# KiCad board RUSP_Mainboard_panelMockup.kicad_pcb (continued)
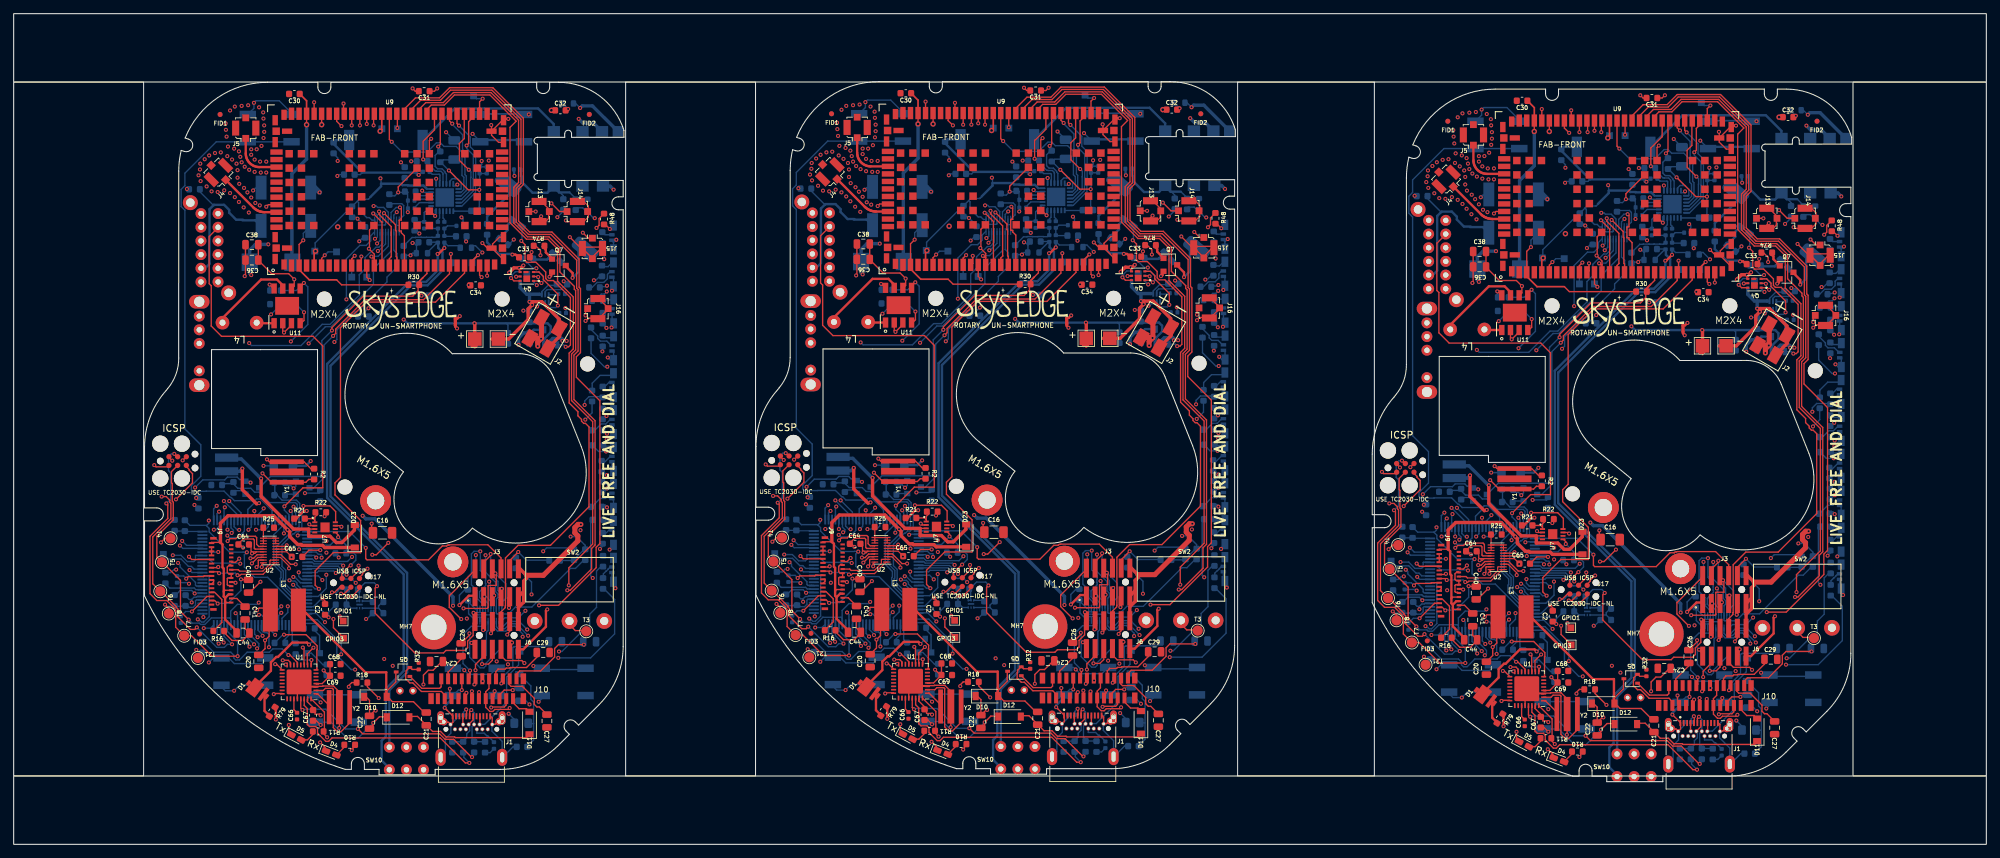
[diagram p0: board, top side]
## Routing (per net, layer and track width the routed paths; a pad name or vN(x,y) marks a point on that pad's centre or on a via; arc(x,y) is an arc through that point) (continued)
+3V8: length 563
  L1_GND+GNDA.Cu w0.18: 124.92,42.88 124.24,42.88 124.14,42.99 124.14,43.66 ; 124.92,42.88 U2#3.16 ; 124.92,42.88 124.69,42.65 v1(124.28,42.65) ; v1(214.41,41.56) 214.81,41.56 215.04,41.79 ; 35.5,42.78 35.27,42.55 v1(34.86,42.55) ; 35.5,42.78 34.82,42.78 34.72,42.89 34.72,43.56 ; 35.5,42.78 U2#2.16 ; U2.16 215.04,41.79 ; 215.04,41.79 214.37,41.79 214.26,41.89 214.26,42.57
  L1_GND+GNDA.Cu w0.2: U9.72 v2(42.84,105.26) ; U9.70 v2(45.04,105.26) ; 223.49,105.87 v1(223.49,107.55) ; 224.79,15.27 v1(225.39,14.67) ; v1(154.88,33.05) 154.86,33.05 153.13,34.78 153.13,36.45 156.96,40.29 ; C68#3.1 C69#2.1 ; C69#2.1 225.66,23.67 v1(224.88,24.45) ; C69#2.1 224.66,22.52 U1#2.4 223.81,22.47 224.09,22.47 224.09,22.52 ; 52.54,45.76 52.36,45.94 v1(52.36,46.91) ; v1(58.34,110.56) 58.74,110.16 C31.1 ; 135.69,24.76 134.54,23.61 U1#3.4 133.69,23.56 133.96,23.56 133.96,23.61 ; 135.69,24.76 135.69,26.46 ; 135.69,24.76 135.54,24.76 v1(134.76,25.54) ; v1(147.76,110.66) 148.16,110.26 C31#3.1 ; v1(228.84,39.82) 228.78,39.82 227.54,38.58 227.54,37.92 ; 222.39,105.87 v2(222.39,104.27) ; 47.99,38.91 47.99,39.57 49.23,40.81 v1(49.29,40.81) ; 246.14,80.77 v1(246.09,80.82) ; 49.62,14.56 49.62,13.95 v1(49.44,13.76) ; 232.09,44.77 231.91,44.95 v1(231.91,45.92) ; 134.86,16.76 134.86,19.44 U1#3.32 ; 44.54,23.51 44.54,23.46 44.26,23.46 U1.4 45.12,23.51 C69.1 ; U9#3.71 v1(133.36,108.64) ; 66.59,81.76 v1(66.54,81.81) ; 229.17,13.57 229.17,12.95 v1(228.99,12.77) ; v1(138.71,40.91) 138.65,40.91 137.41,39.67 137.41,39.01 ; 202.26,55.7 202.26,55.61 v1(202.74,55.12) ; R18.2 51.73,23.06 v1(53.39,21.39) ; 67.54,40.19 63.71,36.35 63.71,34.68 65.43,32.95 v1(65.45,32.95) ; v1(35.89,49.91) 35.66,49.91 35.54,49.79 ; C31#2.1 238.29,109.17 v1(237.89,109.57) ; 158.16,36.33 158.16,36.33 v1(158.26,36.33) ; C69.1 C68.1 ; C69.1 46.12,24.66 v1(45.33,25.44) ; 45.44,16.66 45.44,16.66 45.44,19.34 U1.32 ; v1(227,43.94) 227,44.26 226.69,44.57 ; v1(21.54,44.16) 22.14,44.76 T4.1 ; R18#3.2 231.28,22.06 v1(232.94,20.4) ; T4#2.1 111.56,44.86 v1(110.96,44.26) ; v1(138.86,13.86) 139.05,14.05 139.05,14.66 ; J3#2.3 248.29,35.24 v1(248.38,35.24) ; v1(136.87,45.03) 136.87,45.35 136.56,45.66 ; T4#3.1 201.69,43.77 v1(201.09,43.17) ; v1(68.83,36.23) 68.74,36.23 68.74,36.23 ; U9.71 v1(43.94,108.54) ; U9#3.70 v2(134.46,105.36) ; 47.14,45.56 47.45,45.25 v1(47.45,44.93) ; 156.01,81.86 v1(155.96,81.91) ; 247.09,39.19 243.25,35.36 243.25,33.68 244.98,31.95 v1(245,31.95) ; v1(142.81,21.49) 141.15,23.16 R18#2.2 ; v1(125.31,50.01) 125.09,50.01 124.96,49.89 ; 224.59,105.87 v2(224.59,104.27) ; J7.2 22.71,56.6 v1(23.19,56.12) ; v1(112.62,56.22) 112.13,56.7 112.13,56.8 ; U9#3.72 v2(132.26,105.36) ; U1#2.32 224.99,18.34 224.99,15.67 224.99,15.67 ; 215.09,48.79 215.21,48.92 v1(215.44,48.92) ; 141.96,45.86 141.78,46.04 v1(141.78,47.01) ; 134.66,16.36 v1(135.26,15.76) ; 45.24,16.26 v1(45.84,15.66)
  L1_GND+GNDA.Cu w0.25: 79.47,107.36 v2(78.64,107.36) ; C30.1 42.84,108.75 U9.72 ; 259.02,106.37 v2(258.19,106.37) ; 222.39,105.87 222.39,107.76 221.38,108.77 ; C30#2.1 132.26,108.85 U9#3.72 ; 168.89,107.46 v2(168.06,107.46)
  L1_GND+GNDA.Cu w0.35: 73.89,85.76 73.39,86.26 v1(72.94,86.26) ; R79#3.2 127.76,20.05 v1(127.76,18.36) ; v1(38.34,18.26) 38.34,19.95 R79.2 ; v1(162.36,86.36) 162.81,86.36 163.31,85.86 ; R79#2.2 217.89,18.96 v1(217.89,17.27) ; 253.44,84.77 252.94,85.27 v1(252.49,85.27)
  L1_GND+GNDA.Cu w0.5: v1(212.99,53.97) 212.99,50.89 215.09,48.79 ; v1(122.86,55.06) 122.86,51.99 124.96,49.89 ; v1(33.44,54.96) 33.44,51.89 35.54,49.79
  L4_GND.Cu w0.2: v1(45.52,32.5) 45.52,25.88 45.33,25.69 v1(45.33,25.44) ; v1(134.94,32.61) 134.94,25.98 134.76,25.79 v1(134.76,25.54) ; v1(224.88,24.45) 224.88,24.7 225.07,24.89 v1(225.07,31.51)
  L5_3v8.Cu w0.18: v1(132.02,51.47) 133.17,51.47 ; v1(42.6,51.37) 43.74,51.37 ; v1(222.15,50.37) 223.29,50.37
  L5_3v8.Cu w0.2: v1(53.27,86.79) 53.11,86.63 ; v1(154.88,33.05) 155.35,32.57 155.96,32.57 156.25,32.86 156.25,33.39 156.12,33.51 156.12,34.19 v1(158.26,36.33) ; 133.19,51.44 133.19,54.46 134.59,55.85 134.59,70.89 142.53,78.83 142.53,86.87 141.09,88.31 v1(139.96,88.31) ; v1(248.38,35.24) 246.25,33.1 246.25,32.42 246.37,32.29 246.37,31.76 246.09,31.48 245.48,31.48 v1(245,31.95) ; v1(68.83,36.23) 66.7,34.09 66.7,33.41 66.82,33.29 66.82,32.76 66.54,32.47 65.93,32.47 v1(65.45,32.95) ; v1(230.09,87.22) 231.21,87.22 232.66,85.77 232.66,77.73 224.72,69.79 224.72,54.76 223.32,53.36 223.32,50.35 ; 43.77,51.34 43.77,54.35 45.17,55.75 45.17,70.78 53.11,78.73 53.11,86.77 51.66,88.21 v1(50.54,88.21) ; v1(232.82,85.8) 232.66,85.64 ; v1(142.69,86.89) 142.53,86.73
  L6_GND.Cu w0.18: U10#3.16 233.94,86.83 ; U8#3.16 159.21,35.68 ; U10.16 54.39,87.83 ; U10#2.16 143.81,87.93 ; U8.16 69.79,35.57 ; U8#2.16 249.34,34.58
  L6_GND.Cu w0.2: C18#3.1 171.16,41.61 171.29,41.74 ; 50.11,34.54 49.36,34.54 48.79,35.11 ; v1(134.76,25.54) 134.76,25.28 C3#2.1 ; 216.29,31.12 216.29,32.07 215.79,32.57 v1(215.42,32.57) ; 205.59,34.81 205.92,35.15 206.28,35.15 206.4,35.27 207.09,35.27 ; 205.59,34.81 205.24,34.81 204.59,35.47 ; 205.59,34.81 v1(205.59,34.39) ; 115.46,35.91 115.11,35.91 114.46,36.56 ; 115.46,35.91 115.79,36.24 116.16,36.24 116.28,36.36 116.96,36.36 ; 115.46,35.91 v1(115.46,35.49) ; v1(41.74,43.16) 41.74,43.56 41.94,43.76 46.28,43.76 v1(47.45,44.93) 48.64,43.74 C6.1 48.69,42.61 49.72,42.61 50.04,42.29 50.04,41.56 v1(49.29,40.81) ; v1(132.02,51.47) 134.07,51.47 134.26,51.66 ; 222.44,32.77 223.81,32.77 v1(225.07,31.51) ; v1(125.31,50.01) 124.59,50.01 123.66,49.09 123.66,47.51 ; v1(261,44.01) 261.86,44.01 263.14,42.73 R26#3.1 ; v1(134.94,32.61) 133.69,33.86 132.31,33.86 ; v1(115.86,49.74) 116.08,49.53 116.44,49.53 ; C15#2.2 228.23,35.2 228.29,35.27 ; 26.04,35.81 26.37,36.14 26.73,36.14 26.85,36.26 27.54,36.26 ; 26.04,35.81 25.69,35.81 25.04,36.46 ; 26.04,35.81 v1(26.04,35.38) ; 261.41,40.64 261.29,40.52 C18#2.1 ; 143.81,87.93 142.78,86.89 v1(142.69,86.89) ; v1(138.71,40.91) 139.46,41.66 139.46,42.39 139.15,42.71 138.11,42.71 C6#3.1 138.06,43.84 v1(136.87,45.03) 135.7,43.86 131.36,43.86 131.16,43.66 v1(131.16,43.26) ; 34.24,47.41 34.24,48.99 35.16,49.91 v1(35.89,49.91) ; v1(215.44,48.92) 214.71,48.92 213.79,47.99 213.79,46.42 ; C42.1 51.05,88.72 v1(50.54,88.21) ; C3#3.1 224.88,24.19 v1(224.88,24.45) ; C15#3.2 138.1,36.3 138.16,36.36 ; v1(170.88,45.11) 171.73,45.11 173.01,43.83 R26#2.1 ; v1(26.44,49.64) 26.66,49.43 27.01,49.43 ; 42.89,33.76 44.27,33.76 v1(45.52,32.5) ; R27#2.1 171.36,41.74 172.86,43.24 ; v1(125.29,33.66) 125.66,33.66 126.16,33.16 126.16,32.21 ; v1(68.83,36.23) 69.13,36.23 69.79,35.57 ; v1(205.99,48.65) 206.2,48.43 206.56,48.43 ; v1(139.96,88.31) 140.47,88.82 C42#2.1 ; 159.21,35.68 158.56,36.33 v1(158.26,36.33) ; 140.81,88.86 140.56,88.86 ; 224.39,50.57 224.19,50.37 v1(222.15,50.37) ; 83.44,43.14 81.94,41.64 R27.1 ; C15.2 48.68,36.2 48.74,36.26 ; v1(221.28,42.16) 221.28,42.56 221.49,42.77 225.83,42.77 v1(227,43.94) 228.19,42.75 C6#2.1 228.24,41.61 229.27,41.61 229.59,41.3 229.59,40.57 v1(228.84,39.82) ; 138.21,35.21 138.78,34.64 139.53,34.64 ; R27#3.1 261.49,40.64 262.99,42.14 ; v1(81.45,45.01) 82.31,45.01 83.59,43.73 R26.1 ; 228.34,34.12 228.91,33.55 229.66,33.55 ; v1(42.6,51.37) 44.65,51.37 44.84,51.56 ; v1(45.33,25.44) 45.33,25.18 C3.1 ; C18.1 81.74,41.51 81.87,41.64 ; 249.34,34.58 248.68,35.24 v1(248.38,35.24) ; 233.94,86.83 232.9,85.8 v1(232.82,85.8) ; 51.39,88.76 51.14,88.76 ; 230.94,87.77 230.69,87.77 ; 36.74,32.11 36.74,33.06 36.24,33.56 v1(35.87,33.56) ; 54.39,87.83 53.35,86.79 v1(53.27,86.79) ; v1(230.09,87.22) 230.6,87.73 C42#3.1
  L6_GND.Cu w0.35: v1(252.49,85.27) 252.39,85.37 250.49,85.37 248.79,87.07 R15#2.2 ; R15#3.2 158.66,88.16 160.36,86.46 162.26,86.46 v1(162.36,86.36) ; v1(72.94,86.26) 72.84,86.36 70.94,86.36 69.24,88.06 R15.2
  L6_GND.Cu w0.5: L2#3.1 212.59,53.57 v1(212.99,53.97) ; v2(42.84,105.26) 42.84,100.24 40.69,98.09 40.69,85.22 C35.1 ; v2(132.26,105.36) 132.26,100.34 130.11,98.19 130.11,85.32 C35#3.1 ; v1(33.44,54.96) 33.04,54.56 L2.1 ; v1(122.86,55.06) 122.46,54.66 L2#2.1 ; v2(222.39,104.27) 222.39,99.25 220.24,97.1 220.24,84.22 C35#2.1
  vias: v1(48.73,36.26) v1(138.16,36.36) v1(228.28,35.27)
+12V: length 325.4
  L1_GND+GNDA.Cu w0.2: 128.78,76.32 128.78,75.15 v1(128.96,74.96) 130.05,76.05 U11#3.3 ; J9#3.2 120.53,35.46 120.35,35.65 ; 210.47,34.55 210.66,34.37 J9#2.2 ; 30.24,44.16 28.94,44.16 28.84,44.06 J9.31 ; 35.79,85.41 37.74,83.46 40.22,83.46 v1(41.03,82.65) 41.03,81.65 40.59,81.21 ; J9.2 31.11,35.36 30.93,35.55 ; 220.14,80.22 220.58,80.66 v1(220.58,81.66) 219.77,82.47 217.29,82.47 215.34,84.42 ; 125.21,85.51 127.16,83.56 129.65,83.56 v1(130.45,82.75) 130.45,81.75 130.01,81.31 ; 210.27,35.99 210.44,36.17 J9#2.8 ; 30.72,36.98 30.9,37.16 J9.8 ; C38.2 35.78,85.32 ; J9#3.31 118.26,44.16 118.36,44.26 119.66,44.26 ; U11.2 39.35,75.05 v1(39.54,74.86) 40.62,75.95 U11.3 ; 220.17,75.23 220.17,74.95 v1(219.09,73.87) 218.9,74.05 218.9,75.23 ; C38#2.2 215.33,84.33 ; 120.14,37.08 120.32,37.26 J9#3.8 ; C38#3.2 125.2,85.42 ; 209.79,43.17 208.49,43.17 208.39,43.07 J9#2.31
  L1_GND+GNDA.Cu w0.35: J9.6 31.44,36.56 30.93,36.05 ; 41.39,47.64 41.39,47.72 42.43,48.77 v1(42.86,48.77) ; 212.19,30.17 210.47,31.88 210.47,35.05 ; 210.47,35.05 210.99,35.57 J9#2.6 ; 210.47,35.05 210.27,35.26 210.27,39.34 210.09,39.52 210.09,42.87 209.79,43.17 ; 130.81,47.74 130.81,47.82 131.86,48.87 v1(132.28,48.87) ; 120.35,36.15 120.35,32.98 122.06,31.26 ; 120.35,36.15 120.86,36.66 J9#3.6 ; 120.35,36.15 120.14,36.35 120.14,40.43 119.96,40.61 119.96,43.96 119.66,44.26 ; 220.94,46.65 220.94,46.73 221.98,47.77 v1(222.41,47.77) ; 30.93,36.05 30.72,36.25 30.72,40.33 30.54,40.51 30.54,43.86 30.24,44.16 ; 30.93,36.05 30.93,32.88 32.64,31.16
  L1_GND+GNDA.Cu w0.5: D23.1 45.49,43.41 45.18,43.73 42.15,43.73 42.03,43.85 41.55,43.85 40.36,45.04 40.36,45.7 v1(40.06,46) 38,48.06 31.34,48.06 30.24,46.96 30.24,44.16 ; D23#2.1 134.92,43.51 134.6,43.83 131.57,43.83 131.45,43.96 130.97,43.96 129.78,45.14 129.78,45.8 v1(129.48,46.1) 127.42,48.16 120.76,48.16 119.66,47.06 119.66,44.26 ; 209.79,43.17 209.79,45.97 210.89,47.07 217.55,47.07 v1(219.61,45.01) 219.91,44.71 219.91,44.05 221.1,42.86 221.57,42.86 221.7,42.74 224.72,42.74 225.04,42.42 D23#3.1
  L2_3v3+GNDA.Cu w0.35: v1(219.09,73.87) 222.89,73.87 224.79,71.97 224.79,55.72 224.14,55.07 v1(222.99,55.07) 223.78,54.28 223.78,49.14 v1(222.41,47.77) 219.64,45.01 v1(219.61,45.01) ; v1(129.48,46.1) 129.52,46.1 v1(132.28,48.87) 133.65,50.24 133.65,55.37 v1(132.86,56.16) 134.01,56.16 134.66,56.81 134.66,73.06 132.76,74.96 v1(128.96,74.96) ; v1(40.06,46) 40.1,46 v1(42.86,48.77) 44.23,50.14 44.23,55.27 v1(43.44,56.06) 44.59,56.06 45.24,56.71 45.24,72.96 43.34,74.86 v1(39.54,74.86)
  L5_3v8.Cu w0.2: v1(39.54,74.86) 39.94,75.26 40.04,75.26 ; 219.59,74.27 219.49,74.27 v1(219.09,73.87) ; 129.46,75.36 129.36,75.36 v1(128.96,74.96) ; 40.69,81.46 40.69,82.31 v1(41.03,82.65) ; v1(220.58,81.66) 220.24,81.32 220.24,80.47 ; 130.11,81.56 130.11,82.41 v1(130.45,82.75)
  L5_3v8.Cu w0.35: 40.04,75.26 39.4,75.9 39.4,80.17 40.69,81.46 ; 219.59,74.27 218.95,74.91 218.95,79.18 220.24,80.47 ; 129.46,75.36 128.82,76 128.82,80.27 130.11,81.56
  L6_GND.Cu w0.35: v1(132.86,56.16) 132.16,55.46 C17#3.1 ; v1(222.99,55.07) 222.29,54.37 C17#2.1 ; C17.1 42.74,55.36 v1(43.44,56.06)
/3v3_EN: length 105.9
  L2_3v3+GNDA.Cu w0.2: 121.26,45.46 121.26,37.19 121.56,36.89 121.56,35.81 125.5,31.87 139.77,31.87 v1(140.96,33.06) ; v1(51.54,32.96) 50.34,31.77 36.08,31.77 32.14,35.71 32.14,36.79 31.84,37.09 31.84,45.36 ; v1(211.43,44.55) 211.43,44.51 211.34,44.42 211.39,44.37 ; v1(31.88,45.55) 31.88,45.5 31.79,45.41 31.84,45.36 ; v1(121.31,45.65) 121.31,45.6 121.21,45.51 121.26,45.46 ; v1(231.09,31.97) 229.89,30.77 215.63,30.77 211.69,34.71 211.69,35.79 211.39,36.09 211.39,44.37
  L6_GND.Cu w0.2: v1(231.09,31.97) 231.2,31.97 R19#3.2 ; R19.2 51.65,32.96 v1(51.54,32.96) ; v1(140.96,33.06) 141.07,33.06 R19#2.2 ; 211.34,46.52 211.34,45.29 211.69,44.94 211.69,44.67 211.39,44.37 ; 31.79,47.51 31.79,46.28 32.14,45.93 32.14,45.66 31.84,45.36 ; 121.26,45.46 121.56,45.76 121.56,46.03 121.21,46.38 121.21,47.61
/12v_EN: length 58.1
  L1_GND+GNDA.Cu w0.2: v1(42.38,49.49) 46.27,49.49 47.09,48.67 47.09,47.11 ; v1(221.93,48.5) 225.82,48.5 226.64,47.68 226.64,46.12 ; v1(131.8,49.6) 135.69,49.6 136.51,48.77 136.51,47.21
  L2_3v3+GNDA.Cu w0.2: v1(32.98,45.98) 33.76,46.76 39.65,46.76 v1(42.38,49.49) ; v1(131.8,49.6) 129.07,46.86 123.18,46.86 v1(122.4,46.08) ; v1(221.93,48.5) 219.19,45.77 213.3,45.77 v1(212.53,44.99)
  L6_GND.Cu w0.2: v1(32.98,45.98) 32.72,45.98 32.24,46.46 32.24,47.41 ; 211.79,46.42 211.79,45.47 212.27,44.99 v1(212.53,44.99) ; 121.66,47.51 121.66,46.56 122.14,46.08 v1(122.4,46.08)
/EPAPER DRIVER/VDD: length 26
  L1_GND+GNDA.Cu w0.2: C29#2.1 256.05,26.37 254.55,24.87 252.18,24.87 252.1,24.79 251.58,24.79 251.43,24.64 250.39,24.64 250.39,24.59 250.06,24.27 250.06,23.19 ; C29.1 76.5,27.36 75,25.86 72.63,25.86 72.55,25.78 72.03,25.78 71.88,25.64 70.84,25.64 70.84,25.59 70.51,25.26 70.51,24.19 ; C29#3.1 165.92,27.46 164.42,25.96 162.06,25.96 161.98,25.88 161.45,25.88 161.3,25.74 160.26,25.74 160.26,25.69 159.94,25.36 159.94,24.29
GND: length 765.1
  L1_GND+GNDA.Cu w0.18: v1(163.35,84.41) 163.35,83.94 163.5,83.79 ; v1(253.48,83.32) 253.48,82.84 253.63,82.7 ; v1(73.93,84.31) 73.93,83.84 74.08,83.69
  L1_GND+GNDA.Cu w0.2: v1(37.43,81.87) 38,81.3 U11.8 ; v1(70.34,22.4) 70.34,22.1 70.25,22.01 70.25,21.67 70.01,21.44 ; v1(253.34,41.77) 252.14,40.57 252.14,39.22 ; v1(45.47,47.99) 45.47,48.14 45.4,48.21 ; U11#2.8 217.55,80.31 v1(216.98,80.88) ; v1(135.48,33.31) 134.96,33.83 134.96,33.98 ; U2#2.15 35.32,43.18 35.19,43.31 35.19,44.51 35.04,44.66 33.56,44.66 32.76,43.86 ; v1(54.79,44.1) 53.04,42.35 v1(52.45,42.35) ; 205.89,35.84 206.02,35.72 v1(206.02,35.7) 206.03,35.7 206.03,35.79 ; 222.19,22.52 222.69,22.02 U1#2.3 ; J9.29 J9.27 J9.25 ; 34.3,36.82 C40.2 34.51,36.82 v1(36.09,38.4) ; U1.33 42.39,23.11 45.19,23.11 45.24,23.16 46.75,23.16 ; 122.19,43.96 122.99,44.76 124.46,44.76 124.61,44.61 124.61,43.41 124.74,43.28 U2#3.15 ; 162.01,40.31 162.01,41.66 v1(163.21,42.86) ; 224.95,47.22 225.02,47.15 v1(225.02,47) ; v1(234.33,43.11) 232.59,41.36 v1(232,41.36) ; v1(63.04,19.96) 64.24,18.76 64.24,17.86 63.94,17.56 ; C41.2 33.84,31.56 34.29,31.11 ; 26.48,36.78 26.48,36.7 v1(26.47,36.69) 26.47,36.71 26.35,36.84 ; v1(33.55,43.4) 33.09,43.86 C64.2 ; v1(246.2,29.86) 246.2,29.62 C26#3.2 ; J9#3.20 121.24,40.89 121.16,40.96 120.96,40.96 120.66,40.66 120.66,39.86 120.86,39.66 J9#3.16 J9#3.14 120.76,39.06 120.66,38.96 120.66,38.06 120.76,37.96 121.06,37.96 121.16,37.86 J9#3.10 ; U7#2.7 137.19,46.71 v1(137.36,46.55) ; 159.44,21.54 159.67,21.77 159.67,22.11 159.76,22.2 v1(159.76,22.5) ; v1(132.66,46.91) 132.86,46.71 U7#2.2 ; v1(225.61,32.22) 225.09,32.73 225.09,32.88 ; v1(47.93,46.45) 47.77,46.61 U7.7 ; 134.82,48.31 134.89,48.24 v1(134.89,48.09) ; C65#3.2 132.62,43.13 v1(134.26,43.13) ; J9.11 29.24,38.36 29.24,38.56 29.14,38.66 J9.13 ; R16#3.2 210.33,29.99 211.49,28.83 213.05,28.83 213.99,29.77 ; v1(215.64,37.41) 214.06,35.83 C40#2.2 213.85,35.83 ; 212.49,42.87 212.59,42.77 ; J9#2.10 211.29,36.77 211.19,36.87 210.89,36.87 210.79,36.97 210.79,37.87 210.89,37.97 211.36,37.97 J9#2.16 210.99,38.57 210.79,38.77 210.79,39.57 211.09,39.87 211.29,39.87 211.36,39.79 J9#2.20 ; J9.20 31.81,40.79 31.74,40.86 31.54,40.86 31.24,40.56 31.24,39.76 31.44,39.56 J9.16 J9.14 31.34,38.96 31.24,38.86 31.24,37.96 31.34,37.86 31.64,37.86 31.74,37.76 J9.10 ; 34.44,30.76 33.5,29.82 31.94,29.82 30.78,30.98 R16.2 ; 229.92,37.89 J17#2.6 230.13,38.04 230.56,38.47 230.56,38.63 231.24,39.32 v1(231.29,39.32) ; C22#2.1 142.01,17.57 v1(142.01,17.86) 142.91,18.76 144.11,18.76 ; 152.86,17.95 152.86,17.96 153.01,17.96 153.31,17.66 ; v1(167.79,83.11) 168.16,83.49 Q7#3.2 ; U1.28 41.49,22.71 41.74,22.96 ; 42.64,23.51 43.14,23.01 U1.3 ; 223.64,17.08 223.82,17.08 v1(224.44,16.47) ; C38#3.1 123.32,83.32 v1(123.21,83.21) ; v1(213.34,82.12) 213.45,82.23 C38#2.1 ; 115.77,36.94 115.89,36.81 v1(115.89,36.79) 115.9,36.8 115.9,36.88 ; C65#2.2 43.19,43.03 v1(44.84,43.03) ; C22#3.1 232.14,16.48 v1(232.14,16.77) 233.04,17.67 234.24,17.67 ; J9#3.13 118.56,38.76 118.66,38.66 118.66,38.46 J9#3.11 ; v1(73.79,42.76) 72.59,41.56 72.59,40.21 ; Q7.2 78.74,83.39 v1(78.36,83.01) ; 63.44,17.85 63.44,17.86 63.59,17.86 63.89,17.56 ; v1(156.07,30.95) 156.07,30.71 C26#2.2 ; v1(66.65,30.85) 66.65,30.61 C26.2 ; v1(46.06,33.21) 45.54,33.73 45.54,33.88 ; 132.06,23.61 132.56,23.11 U1#3.3 ; 123.72,36.92 C40#3.2 123.93,36.92 v1(125.51,38.5) ; U1#3.28 130.91,22.81 131.16,23.06 ; 212.31,42.87 213.11,43.67 214.59,43.67 214.74,43.52 214.74,42.32 214.87,42.19 216.07,42.19 ; v1(126.85,81.97) 127.42,81.4 U11#3.8 ; J9#3.25 J9#3.27 J9#3.29 ; 243.44,16.56 243.14,16.86 242.99,16.86 242.99,16.86 ; v1(137.03,17.13) 137.06,17.16 Y2#2.2 137.06,22.38 136.16,23.28 ; 32.94,43.86 33.04,43.76 ; U7.2 43.44,46.61 v1(43.24,46.81) ; 243.49,16.57 243.79,16.87 243.79,17.77 v1(242.59,18.97) ; 159.94,17.76 159.94,17.76 159.84,17.66 159.41,17.66 159.41,18.61 159.11,18.91 ; 133.51,18.18 133.7,18.18 v1(134.31,17.56) ; 122.36,43.96 122.46,43.86 ; v1(66.94,29.46) 67.47,28.94 J6.1 ; U1#3.33 131.81,23.21 134.61,23.21 134.66,23.26 136.18,23.26 ; v1(246.49,28.47) 247.01,27.94 J6#3.1 ; U7#3.7 227.32,45.62 v1(227.48,45.45) ; J9#2.25 J9#2.27 208.49,42.47 ; v1(144.21,44.2) 142.46,42.45 v1(141.87,42.45) ; 139.79,38.99 J17#3.6 140,39.14 140.43,39.56 140.43,39.73 141.11,40.41 v1(141.16,40.41) ; J10#2.8 v1(245.09,21.57) ; C22.1 52.59,17.47 v1(52.59,17.76) 53.49,18.66 54.69,18.66 ; v1(213.1,42.4) 212.64,42.87 C64#3.2 ; v1(257.91,82.02) 258.29,82.39 Q7#2.2 ; 114.67,56.8 v1(114.14,56.26) ; 226.29,22.18 227.19,21.28 Y2#3.2 227.19,16.07 v1(227.15,16.03) ; v1(156.36,29.56) 156.89,29.04 J6#2.1 ; 50.37,38.89 J17.6 50.58,39.04 51.01,39.46 51.01,39.63 51.69,40.31 v1(51.74,40.31) ; R16#2.2 120.2,31.08 121.36,29.92 122.92,29.92 123.86,30.86 ; C38.1 33.9,83.22 v1(33.79,83.11) ; 213.84,30.12 213.39,30.57 C41#2.2 ; 221.29,21.97 221.04,21.72 U1#2.28 ; v1(47.6,17.02) 47.64,17.06 Y2.2 47.64,22.28 46.74,23.18 ; v1(224.39,42.04) 222.74,42.04 C65.2 ; J9#2.11 208.79,37.37 208.79,37.57 208.69,37.67 J9#2.13 ; 250.07,16.66 250.07,16.66 249.96,16.56 249.54,16.56 249.54,17.52 249.24,17.82 ; J10#3.8 v1(154.96,22.66) ; 153.36,17.66 153.66,17.96 153.66,18.86 v1(152.46,20.06) ; v1(222.79,45.82) 222.99,45.62 U7#3.2 ; 226.3,22.17 224.79,22.17 224.74,22.12 221.94,22.12 U1#2.33 ; v1(249.89,21.41) 249.89,21.1 249.8,21.02 249.8,20.68 249.56,20.44 ; 65.54,24.21 v1(65.54,22.56) ; C41#3.2 123.26,31.66 123.71,31.21 ; J7#2.6 v1(204.26,55.17) ; C64#2.2 122.51,43.96 v1(122.97,43.5) ; 69.69,18.81 69.99,18.51 69.99,17.56 70.41,17.56 70.52,17.66 70.52,17.66 ; v1(44.89,17.46) 44.28,18.08 44.09,18.08 ; J7.6 v1(24.72,56.16)
  L1_GND+GNDA.Cu w0.35: v1(154.61,35.09) 155.99,36.46 156.86,36.46 156.89,36.44 J3#3.1 ; 258.19,82.17 258.06,82.17 v1(257.91,82.02) ; NT2#3.1 244.14,74.72 v1(244.39,74.47) ; NT2.1 64.59,75.71 v1(64.84,75.46) ; J3#2.1 247.01,35.34 246.99,35.37 246.11,35.37 v1(244.74,33.99) ; NT2#2.1 154.01,75.81 v1(154.26,75.56) ; J3.1 67.47,36.34 67.44,36.36 66.56,36.36 v1(65.19,34.99) ; 168.06,83.26 167.94,83.26 v1(167.79,83.11) ; v1(78.36,83.01) 78.51,83.16 78.64,83.16
  L1_GND+GNDA.Cu w0.5: v1(72.47,83.62) 73.16,84.31 v1(73.93,84.31) ; 74.06,84.19 v1(74.54,84.66) ; v1(252.02,82.63) 252.71,83.32 v1(253.48,83.32) ; v1(163.35,84.41) 162.58,84.41 v1(161.89,83.73) ; 163.49,84.29 v1(163.96,84.76) ; 253.61,83.19 v1(254.09,83.67)
  L2_3v3+GNDA.Cu w0.2: v1(115.96,52.29) 115.96,53.91 114.14,55.74 v1(114.14,56.26) ; v1(206.09,51.2) 206.09,52.82 204.26,54.64 v1(204.26,55.17) ; v1(26.54,52.19) 26.54,53.81 24.72,55.64 v1(24.72,56.16)
  L6_GND.Cu w0.18: U8#3.15 158.81,35.34 ; U8#2.15 248.94,34.24 ; U6#3.3 230.6,34.59 230.61,34.59 ; U6.3 51.06,35.59 51.06,35.58 ; U6#2.3 140.48,35.69 140.48,35.68 ; U8.15 69.39,35.24
  L6_GND.Cu w0.2: 69.19,99.06 69.16,99.1 C58.2 68.44,99.4 v1(68.44,99.95) ; 122.91,53.46 122.46,53.46 122.11,53.81 120.69,53.81 120.29,53.41 117.08,53.41 v1(115.96,52.29) ; v1(247.99,98.95) 247.99,98.4 C58#3.2 248.7,98.1 248.74,98.07 ; 225.54,25.27 224.79,25.27 223.09,26.97 222.49,26.97 ; 43.74,17.86 46.43,17.86 48.78,15.51 50.34,15.51 v1(52.59,17.76) ; 132.31,34.36 134.43,34.36 v1(135.48,33.31) 135.48,34.08 136.56,35.16 ; v1(86.74,59.24) 87.51,60.01 87.72,60.01 87.72,61.18 87.54,61.36 ; 267.06,76.57 267.06,75.5 267.24,75.32 ; 87.49,66.71 87.49,65.58 v1(87.16,65.25) ; v1(206.24,49.67) 206.3,49.67 206.56,49.4 ; 125.61,96.06 124.76,96.06 v1(124.44,95.74) ; 253.4,13.27 252.59,13.27 251.19,11.87 250.89,11.87 ; v1(214.19,51.92) 213.99,52.12 Q2#2.2 ; SW8.2 33.04,23.26 v1(32.24,22.46) 30.94,22.46 30.34,23.06 ; 162.86,41.75 162.86,42.51 v1(163.21,42.86) 164.41,41.66 167.56,41.66 ; v1(206.09,51.2) 207.21,52.32 210.41,52.32 210.81,52.72 212.24,52.72 212.59,52.37 213.04,52.37 ; 151.76,12.76 152.56,13.56 152.56,15.56 153.36,16.36 153.36,17.71 ; v1(205.19,37.12) 205.02,37.28 C43#2.1 ; C43.1 25.47,38.28 v1(25.64,38.11) ; 132.31,43.36 134.03,43.36 v1(134.26,43.13) ; v1(176.86,75.7) 176.86,76.01 177.16,76.31 ; 34.34,106.86 35.14,107.66 v1(35.14,108.46) 35.44,108.76 38.84,108.76 40.84,106.76 ; C43#3.1 114.9,38.38 v1(115.06,38.21) ; v1(65.54,22.56) 65.04,22.56 SW6.2 ; 219.05,51.49 220.06,51.49 v1(220.49,51.07) 220.81,51.39 Q1#3.2 ; C9.2 69.68,13.41 R4.2 ; v1(266.44,70.22) 266.84,69.82 267.29,69.82 267.29,70.97 267.14,71.12 ; 87.49,88.31 87.72,88.08 87.72,87.01 ; D26.4 267.27,87.09 267.04,87.32 ; v1(164.86,20.56) 164.32,21.1 C25#3.2 ; SW3#2.2 166.66,21.43 v1(166.19,20.96) ; v1(266.99,74.6) 266.99,74.91 267.29,75.22 ; v1(170.11,78.55) 170.2,78.47 R14#2.1 ; 176.91,66.81 176.91,65.68 v1(176.58,65.35) ; 146.71,99.11 146.71,99.21 v1(146.06,99.86) ; 52.51,35.59 51.06,35.59 51.06,35.58 ; 241.89,11.67 242.69,12.47 242.69,14.47 243.49,15.27 243.49,16.62 ; SW6#2.2 154.46,22.66 v1(154.96,22.66) ; U12#2.12 244.24,95.31 v1(244.44,95.51) ; 177.14,49.31 177.14,50.43 176.91,50.66 ; SW8#2.2 212.59,22.27 v1(211.79,21.47) 210.49,21.47 209.89,22.07 ; 156.06,37.3 155.99,37.37 ; C25#2.2 254.45,20.01 v1(254.99,19.47) ; v1(88,37.46) 87.72,37.74 87.72,38.41 ; v1(47.54,41.96) 47.06,42.44 C6.2 ; 130.26,106.86 128.26,108.86 124.86,108.86 v1(124.56,108.56) 124.56,107.76 123.76,106.96 ; 62.34,12.66 63.14,13.46 63.14,15.46 63.94,16.26 63.94,17.61 ; v1(34.34,46.01) 34.74,46.41 34.74,47.36 ; Q2#3.2 123.86,53.21 v1(124.06,53.01) ; 47.14,36.53 47.14,36.77 47.41,37.05 47.41,37.12 47.62,37.32 48.69,37.32 C72.1 ; 27.01,50.4 26.75,50.66 v1(26.69,50.66) ; 177.11,54.71 176.91,54.91 D25#2.2 ; 230.61,34.59 230.61,34.59 232.06,34.59 ; SW3.2 77.24,21.33 v1(76.77,20.86) ; 176.91,39.86 176.91,38.61 177.21,38.31 ; v1(266.29,58.24) 267.06,59.02 267.27,59.02 267.27,60.19 267.09,60.37 ; v1(86.89,71.21) 87.29,70.81 87.74,70.81 87.74,71.96 87.59,72.11 ; v1(154.61,35.09) 154.61,36.55 155.39,37.32 R75#2.2 155.86,39.26 156.36,39.76 156.36,42.58 156.75,42.96 v1(157.66,42.96) 157.66,40.16 158.46,39.36 158.46,38.8 158.41,38.75 158.41,38.29 158.46,38.24 158.46,37.96 157.56,37.06 157.56,36.21 157.99,35.78 158.37,35.78 158.81,35.34 ; D27#3.4 267.27,36.74 v1(267.55,36.46) ; 69.39,35.24 68.95,35.68 68.57,35.68 68.14,36.11 68.14,36.96 69.04,37.86 69.04,38.14 68.99,38.19 68.99,38.65 69.04,38.7 69.04,39.26 68.24,40.06 v1(68.24,42.86) 67.33,42.86 66.94,42.47 66.94,39.66 66.44,39.16 R75.2 65.97,37.22 65.19,36.45 v1(65.19,34.99) ; v1(80.69,78.45) 80.78,78.36 R14.1 ; 267.34,37.22 267.04,37.52 267.04,38.77 ; SW3#3.2 256.79,20.33 v1(256.32,19.86) ; 177.14,87.11 177.14,88.18 176.91,88.41 ; R5#3.2 154.23,18.53 153.36,17.66 ; v1(245.09,21.57) 244.59,21.57 SW6#3.2 ; v1(216.98,80.88) 216.98,80.13 216.99,80.12 ; Q1#2.2 130.69,52.49 v1(130.36,52.16) 129.94,52.59 128.92,52.59 ; 23.59,36.36 24.37,37.14 26.03,37.14 v1(26.47,36.69) 26.54,36.76 27.64,36.76 ; v1(123.76,46.11) 124.16,46.51 124.16,47.46 ; 250.99,11.67 250.99,14.07 249.49,15.57 249.49,16.21 249.69,16.41 249.54,16.56 ; 87.74,76.21 87.44,75.91 v1(87.44,75.6) ; v1(246.2,29.86) 246.24,29.82 246.24,26.37 247.78,24.82 248.31,24.82 248.6,25.11 248.6,25.48 250.59,27.47 ; v1(64.89,96.5) 64.69,96.3 U12.12 ; v1(26.54,52.19) 27.66,53.31 30.87,53.31 31.27,53.71 32.69,53.71 33.04,53.36 33.49,53.36 ; 66.64,37.2 66.56,37.27 ; v1(176.16,59.34) 176.94,60.11 177.14,60.11 177.14,61.28 176.96,61.46 ; v1(134.31,17.56) 134.36,17.61 134.36,17.86 ; 63.94,17.56 64.81,18.43 R5.2 ; D25#2.4 177.14,54.46 ; 71.04,28.46 69.05,26.47 69.05,26.1 68.76,25.81 68.23,25.81 66.69,27.36 66.69,30.81 v1(66.65,30.85) ; v1(126.76,28.94) 126.76,30.77 126.47,31.06 126.14,31.06 126.05,31.15 125.91,31.15 125.66,31.4 125.66,32.21 ; v1(87.5,80.98) 87.72,81.2 87.72,82.88 87.59,83.01 ; 113.01,36.46 113.79,37.24 115.45,37.24 v1(115.89,36.79) 115.96,36.86 117.06,36.86 ; v1(260.24,77.46) 260.32,77.37 R14#3.1 ; 126.86,81.21 126.85,81.22 v1(126.85,81.97) ; 78.14,41.56 74.99,41.56 v1(73.79,42.76) 73.44,42.41 73.44,41.65 ; v1(37.43,81.87) 37.43,81.12 37.44,81.11 ; 39.5,52.49 40.52,52.49 v1(40.94,52.06) 41.26,52.39 Q1.2 ; 164.26,106.86 v1(164.76,106.86) ; C72#2.1 228.24,36.33 227.16,36.33 226.96,36.12 226.96,36.05 226.69,35.78 226.69,35.53 ; 214.29,46.37 214.29,45.42 v1(213.89,45.02) ; 246.19,36.2 246.11,36.28 ; 47.14,35.06 46.06,33.98 v1(46.06,33.21) 45.01,34.26 42.89,34.26 ; 177.14,43.91 176.58,43.35 v1(176.58,43.21) ; D28#2.4 266.7,42.25 v1(266.7,42.11) ; C17#3.2 v1(125.96,55.46) ; R5#2.2 244.35,17.43 243.49,16.57 ; v1(244.74,33.99) 244.74,35.45 245.51,36.23 R75#3.2 245.99,38.17 246.49,38.67 246.49,41.48 246.87,41.87 v1(247.79,41.87) 247.79,39.07 248.59,38.27 248.59,37.7 248.54,37.65 248.54,37.2 248.59,37.15 248.59,36.87 247.69,35.97 247.69,35.12 248.12,34.69 248.5,34.69 248.94,34.24 ; v1(70.34,22.4) 70.64,22.1 SW6.2 ; 236.84,98.02 236.84,98.12 v1(236.19,98.77) ; C25.2 74.9,21 v1(75.44,20.46) ; v1(56.64,99.76) 57.29,99.11 57.29,99.01 ; 87.51,77.56 87.51,76.49 87.69,76.31 ; C9#2.2 249.23,12.42 R4#2.2 ; 224.49,16.77 224.49,16.52 v1(224.44,16.47) ; SW8#3.2 122.47,23.37 v1(121.66,22.56) 120.36,22.56 119.76,23.16 ; 136.56,36.63 136.56,36.88 136.84,37.15 136.84,37.22 137.04,37.42 138.11,37.42 C72#3.1 ; v1(232.14,16.77) 229.89,14.52 228.32,14.52 225.97,16.87 223.29,16.87 ; 207.19,35.77 206.09,35.77 v1(206.02,35.7) 205.57,36.14 203.91,36.14 203.14,35.37 ; 267.04,65.72 267.04,64.59 v1(266.71,64.26) ; 163.28,14.36 162.46,14.36 161.06,12.96 160.76,12.96 ; v1(116.11,50.76) 116.17,50.76 116.44,50.5 ; v1(176.31,71.31) 176.71,70.91 177.16,70.91 177.16,72.06 177.01,72.21 ; 155.99,37.36 156.04,37.31 ; 87.72,88.02 v1(88.13,88.43) ; 158.61,99.16 158.58,99.2 C58#2.2 157.86,99.5 v1(157.86,100.05) ; R4#3.2 159.1,13.51 C9#3.2 ; v1(136.96,42.06) 136.49,42.54 C6#3.2 ; D25.4 87.72,54.36 ; D29#2.2 87.72,50.33 87.72,49.21 ; 257.69,40.57 254.54,40.57 v1(253.34,41.77) 252.99,41.42 252.99,40.65 ; 73.85,14.26 73.04,14.26 71.64,12.86 71.34,12.86 ; 177.14,65.51 176.74,65.51 ; 133.16,17.96 135.85,17.96 138.2,15.61 139.76,15.61 v1(142.01,17.86) ; 177.01,83.11 177.14,82.98 177.14,81.3 v1(176.92,81.08) ; 87.69,54.61 87.49,54.81 D25.2 ; 267.14,82.02 267.27,81.89 D30#2.4 267.27,80.21 v1(267.05,79.99) ; 87.72,43.81 87.15,43.25 v1(87.15,43.11) ; C6#2.2 226.61,41.44 v1(227.09,40.97) ; 64.44,102.96 v1(63.24,104.16) ; 135.41,26.36 134.66,26.36 132.96,28.06 Q6#3.2 ; v1(35.01,95.64) 35.33,95.96 36.19,95.96 ; C57#3.2 v1(152.66,104.26) ; v1(154.31,96.6) 154.11,96.4 U12#3.12 ; Q6.2 43.54,27.96 45.24,26.26 45.99,26.26 ; SW6#2.2 160.06,22.2 v1(159.76,22.5) ; v1(249.89,21.41) 250.19,21.11 SW6#3.2 ; D25#3.4 267.27,53.37 ; D25#3.2 267.04,53.82 267.24,53.62 ; 42.89,43.26 44.61,43.26 v1(44.84,43.03) ; v1(216.88,27.85) 216.88,29.68 216.6,29.97 216.27,29.97 216.18,30.06 216.04,30.06 215.79,30.3 215.79,31.12 ; C57#2.2 v1(242.79,103.17) ; 74.84,106.76 v1(75.34,106.76) ; 140.48,35.68 140.49,35.69 141.94,35.69 ; 66.56,37.26 66.62,37.21 ; 160.86,12.76 160.86,15.17 159.36,16.67 159.36,17.31 159.56,17.51 159.41,17.66 ; 87.79,38.21 87.49,38.51 D27#2.2 ; 222.44,42.27 224.16,42.27 v1(224.39,42.04) ; 177.14,38.51 177.14,37.84 v1(177.42,37.56) ; C17#2.2 v1(216.09,54.37) ; 226.69,34.07 225.61,32.98 v1(225.61,32.22) 224.56,33.27 222.44,33.27 ; 215.74,94.97 214.88,94.97 v1(214.56,94.65) ; 36.24,32.11 36.24,31.3 36.49,31.05 36.63,31.05 36.72,30.96 37.05,30.96 37.34,30.67 v1(37.34,28.84) ; 267.27,87.03 v1(267.68,87.44) ; 177.14,88.12 v1(177.55,88.53) ; 254.39,105.77 v1(254.89,105.77) ; 176.93,77.66 176.93,76.59 177.11,76.41 ; 267.27,48.22 267.27,49.34 267.04,49.57 ; v1(34.64,52.91) 34.44,53.11 Q2.2 ; 220.39,105.77 218.39,107.77 214.99,107.77 v1(214.69,107.47) 214.69,106.67 213.89,105.87 ; 44.94,17.76 44.94,17.51 v1(44.89,17.46) ; 246.11,36.27 246.16,36.22 ; 69.99,17.56 70.14,17.41 69.94,17.21 69.94,16.57 71.44,15.07 71.44,12.66 ; C17.2 v1(36.54,55.36) ; 160.46,28.56 158.47,26.57 158.47,26.2 158.18,25.92 157.66,25.92 156.11,27.46 156.11,30.91 v1(156.07,30.95) ; D33#3.4 266.87,64.42 ; 87.72,65.41 87.32,65.41